# Allegro board OPT8241-CDK-EVM SB REV2P0V1.brd
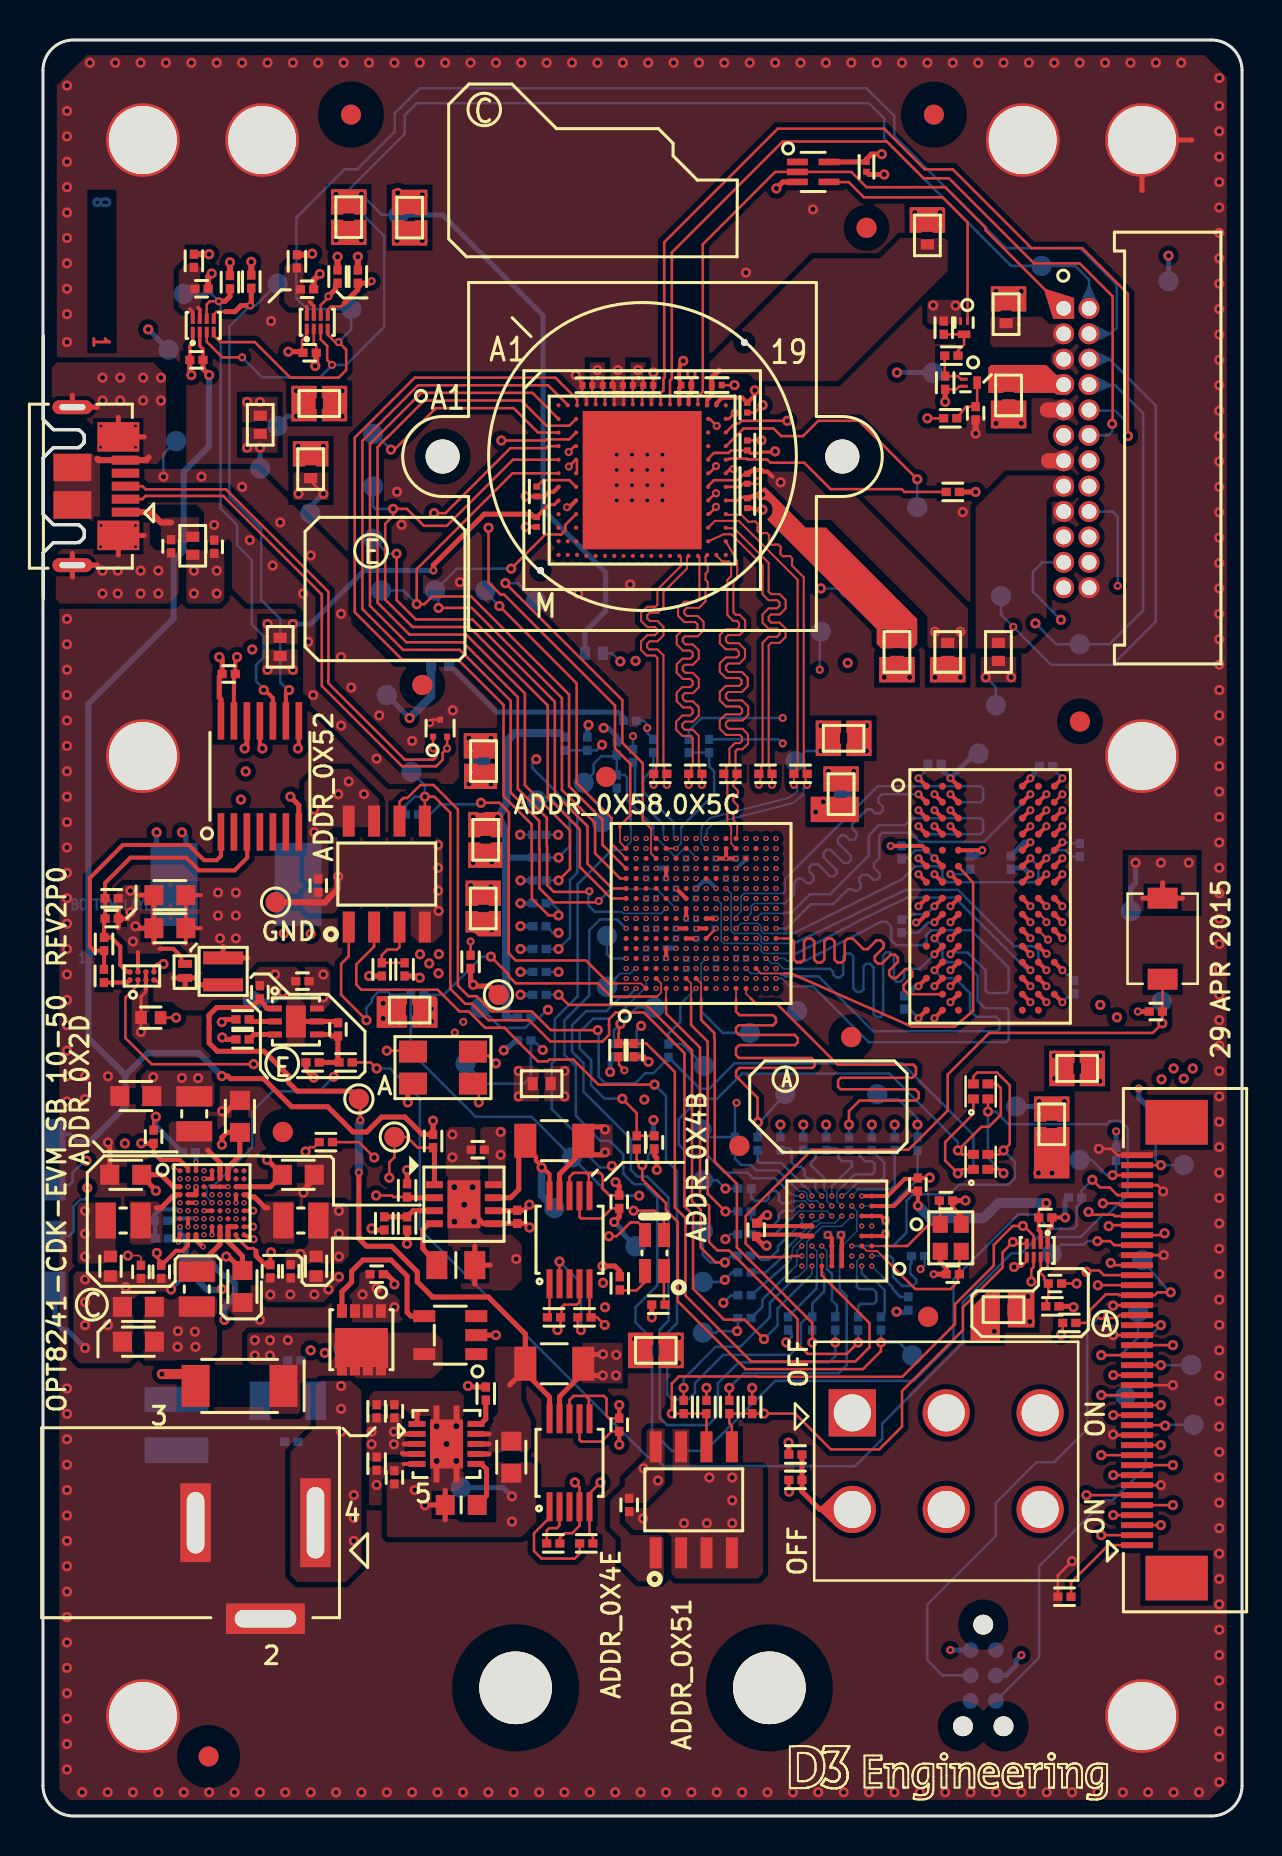
[diagram p0: board, top side]
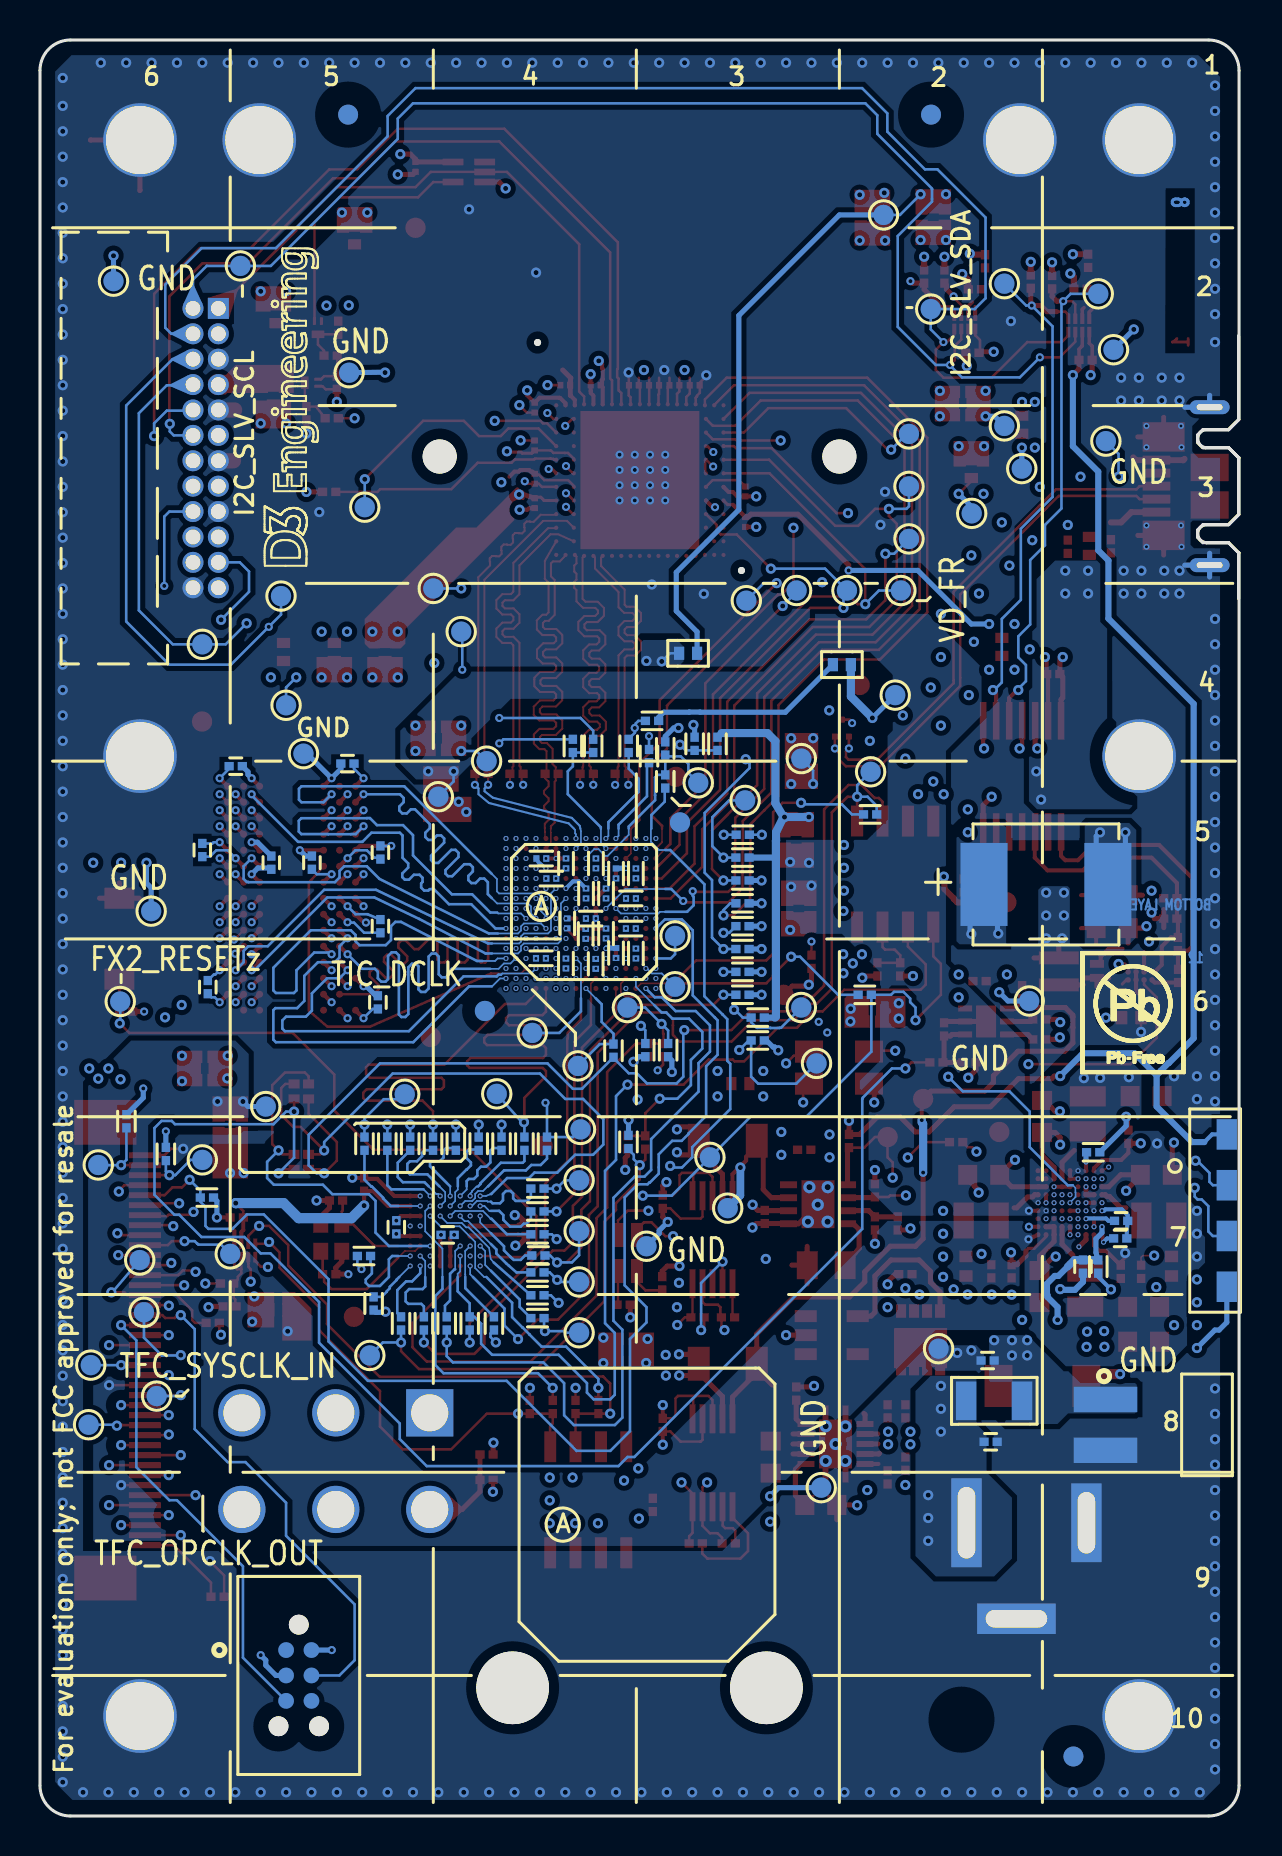
[diagram p1: board, bottom side, seen from below]

Outline 60 x 88.81 mm; copper layers: TOP, GND1, SIG1, PWR1, PWR2, SIG2, GND2, BOTTOM. Coordinates in mm from the lower left corner of the outline.
Outline path: 0.52,69.32 0,69.85 0,87.29 arc(0.45,88.36) 1.52,88.81 58.48,88.81 arc(59.55,88.36) 60,87.29 60,1.52 arc(59.55,0.45) 58.48,0 1.52,0 arc(0.45,0.45) 0,1.52 0,63.16 0.01,63.17 0.02,63.17 ; 0.52,69.32 0.02,69.82 0.02,74.02 ; 0.52,69.32 1.81,69.32 2.07,69.06 2.07,68.67 1.82,68.42 1.77,68.42 1.77,68.43 1.69,68.43 1.69,68.42 ; 0.52,69.32 1.7,69.32 arc(2.07,68.87) 1.69,68.42 ; 0.52,64.57 0,65.1 0,67.91 0.01,67.92 0.02,67.92 ; 0.52,64.57 1.81,64.57 2.07,64.31 2.07,63.93 1.81,63.67 1.62,63.67 1.62,63.67 0.52,63.67 ; 0.52,64.57 0.02,65.07 0.02,67.92 ; 0.52,64.57 1.63,64.57 arc(2.07,64.12) 1.62,63.67 0.52,63.67 ; 0.02,67.92 0.52,68.42 ; 0.02,67.92 0.52,68.42 ; 0.52,68.42 1.69,68.42 ; 0.52,68.42 1.69,68.42 ; 0.02,63.17 0.02,60.88 ; 0.02,63.17 0.52,63.67

## Design rules (mm)
net group DP1: nets DM DP
net group POWER: nets GND

## Placement (name value [footprint] x y rotation side)
B1  BK1005HS100-T  [INDC0402]  18.35 79.93 270 top
B2  BK1005HS100-T  [INDC0402]  44.26 79.04 270 top
B3  BK1005HS100-T  [INDC0402]  15.3 79.95 270 top
B4  BK1005HS100-T  [INDC0402]  48.19 75.1 270 top
B5  BK1005HS100-T  [INDC0402]  13.83 70.63 0 top
B6  BK1005HS100-T  [INDC0402]  13.39 67.35 90 top
B7  BK1005HS100-T  [INDC0402]  48.32 71.04 90 top
B8  BK1005HS100-T  [INDC0402]  7.49 63.52 90 top
B9  BK1005HS100-T  [INDC0402]  11.87 58.46 90 top
B10  BK1005HS100-T  [INDC0402]  42.73 58.21 90 top
B11  BK1005HS100-T  [INDC0402]  45.27 58.21 90 top
B12  BKP1005EM100-T  [INDC0402]  47.81 58.21 90 top
B13  BK1005HS100-T  [INDC0402]  40.06 53.89 0 top
B14  BK1005HS100-T  [INDC0402]  22.05 52.75 90 top
B15  BK1005HS100-T  [INDC0402]  39.94 51.1 270 top
B16  BK1005HS100-T  [INDC0402]  22.16 48.81 90 top
B17  BK1005HS100-T  [INDC0402]  22.03 45.38 270 top
B18  BK1005HS100-T  [INDC0402]  18.35 40.3 0 top
B19  BK1005HS100-T  [INDC0402]  51.75 37.38 180 top
B20  BK1005HS100-T  [INDC0402]  24.95 36.62 0 top
B21  BK1005HS100-T  [INDC0402]  50.48 34.59 270 top
B22  BK1005HS100-T  [INDC0402]  48.07 25.32 0 top
B23  BK1005HS100-T  [INDC0402]  30.67 23.28 0 top
B24  BLM31PG121SN1L  [INDC1206]  12.26 20.76 180 bottom
B25  BK1005HS100-T  [INDC0402]  19.87 57.57 0 bottom
B26  BK1005HS100-T  [INDC0402]  10.87 69.57 90 top
B27  BK1005HS100-T  [INDC0402]  27.57 58.14 0 bottom
C1  1uF  [P_CC0201]  27.24 71.54 180 top
C2  1uF  [P_CC0201]  29.27 71.54 180 top
C3  1uF  [P_CC0201]  32.19 71.55 0 top
C4  1uF  [P_CC0201]  33.72 71.55 0 top
C5  1uF  [P_CC0201]  28.25 71.54 0 top
C6  1uF  [P_CC0201]  30.29 71.54 0 top
C7  100nF  [CC0201]  46.67 70.15 270 top
C8  1uF  [P_CC0201]  35.25 70.42 270 top
C9  100nF  [P_CC0201]  35.25 68.53 90 top
C10  1uF  [P_CC0201]  35.25 66.87 270 top
C11  100nF  [P_CC0201]  24.71 66.23 270 top
C12  1uF  [P_CC0201]  35.25 65.65 270 top
C13  1uF  [P_CC0201]  24.71 64.71 270 top
C14  100nF  [CC0201]  6.41 63.49 270 top
C15  100nF  [CC0201]  8.57 63.47 90 top
C16  22uF  [CC0603]  6.35 46.05 180 top
C17  100nF  [CC0201]  13.78 46.53 270 top
C18  10pF  [CC0201]  3.44 44.87 180 top
C19  22uF  [CC0603]  6.35 44.4 180 top
C20  10uF  [CC0402]  5.39 39.92 180 top
C21  100nF  [CC0201]  12.98 41.75 180 top
C22  100nF  [CC0201]  10.85 41.19 90 top
C23  1uF  [CC0201]  55.69 40.23 180 top
C24  100nF  [CC0201]  14.76 39.33 90 top
C25  15uF  [CC0603]  4.65 36 180 top
C26  22uF  [CC0603]  9.86 34.98 90 top
C27  1uF  [CC0201]  5.54 33.97 90 top
C28  1uF  [CC0201]  30.6 33.68 270 top
C29  100nF  [CC0201]  21.76 33.32 180 top
C30  22uF  [CC0603]  4.14 32.06 180 top
C31  22uF  [CC0603]  12.78 32.06 0 top
C32  1uF  [CC0201]  43.78 31.57 90 top
C33  12pF  [CC0201]  45.18 30.78 180 top
C34  100nF  [CC0201]  28.84 30.71 270 top
C35  100nF  [CC0201]  23.73 29.96 270 top
C36  100nF  [CC0201]  50.16 29.93 0 top
C37  1uF  [CC0201]  35.69 29.31 270 top
C38  10uF  [CC0402]  3.38 27.49 270 top
C39  10uF  [CC0402]  13.67 27.49 270 top
C40  1uF  [CC0201]  11.38 27.24 270 top
C41  1uF  [CC0201]  12.4 27.24 270 top
C42  100nF  [CC0201]  4.9 27.21 270 top
C43  1uF  [CC0201]  5.92 27.21 270 top
C44  12pF  [CC0201]  45.53 27.09 0 top
C45  100pF  [CC0201]  50.64 26.63 0 top
C46  22uF  [CC0603]  9.98 26.48 270 top
C47  15uF  [CC0603]  4.78 25.46 180 top
C48  22uF  [CC0603]  4.78 23.72 180 top
C49  100nF  [CC0201]  17.59 20.24 90 top
C50  100nF  [CC0201]  28.84 19.56 270 top
C51  22uF  [CC0603]  23.44 17.95 270 top
C52  100nF  [CC0201]  29.33 15.55 270 top
C53  100nF  [CC0201]  17.59 16.93 270 top
C54  1uF  [CC0201]  44.62 52.62 0 bottom
C55  1uF  [CC0201]  50.2 52.5 180 bottom
C56  1uF  [CC0201]  51.88 48.3 270 bottom
C57  1uF  [CC0201]  42.96 48.18 270 bottom
C58  1uF  [P_CC0201]  34.91 47.88 0 bottom
C59  1uF  [CC0201]  46.39 47.67 90 bottom
C60  1uF  [CC0201]  48.43 47.67 90 bottom
C61  1uF  [P_CC0201]  33.68 47.63 270 bottom
C62  1uF  [P_CC0201]  30.43 45.88 0 bottom
C63  1uF  [P_CC0201]  32.18 47.63 270 bottom
C64  1uF  [P_CC0201]  31.17 47.13 270 bottom
C65  1uF  [P_CC0201]  33.68 42.63 90 bottom
C66  1uF  [P_CC0201]  34.41 46.88 0 bottom
C67  1uF  [P_CC0201]  31.68 46.13 270 bottom
C68  1uF  [P_CC0201]  32.68 46.13 270 bottom
C69  1uF  [P_CC0201]  30.18 43.13 90 bottom
C70  1uF  [P_CC0201]  32.44 44.88 0 bottom
C71  1uF  [P_CC0201]  33.62 44.64 90 bottom
C72  100nF  [CC0201]  42.96 44.5 90 bottom
C73  1uF  [P_CC0201]  30.43 44.38 0 bottom
C74  1uF  [P_CC0201]  32.69 44.11 90 bottom
C75  1uF  [P_CC0201]  31.67 44.13 270 bottom
C76  1uF  [P_CC0201]  30.18 47.13 270 bottom
C77  1uF  [P_CC0201]  31.17 43.16 270 bottom
C78  1uF  [P_CC0201]  34.93 42.89 180 bottom
C79  1uF  [P_CC0201]  32.19 42.61 90 bottom
C80  1uF  [CC0201]  51.6 41.45 270 bottom
C81  1uF  [CC0201]  43.09 40.69 90 bottom
C82  1uF  [CC0201]  5.9 29.76 180 bottom
C83  1uF  [CC0201]  42.17 29.44 90 bottom
C84  1uF  [CC0201]  39.6 29.06 0 bottom
C85  1uF  [CC0201]  5.95 28.88 180 bottom
C86  100nF  [CC0201]  12.58 22.78 0 bottom
C87  100nF  [CC0201]  12.43 18.71 180 bottom
C88  100nF  [CC0201]  16.7 27.09 0 top
C89  100pF  [CC0201]  7.93 76.37 0 top
C90  100nF  [CC0201]  7.68 72.81 180 top
C91  100pF  [CC0201]  13.22 76.34 0 top
C92  100nF  [CC0201]  13.34 73.17 180 top
C93  1uF  [CC0201]  7.81 27.48 270 bottom
C94  100nF  [P_CC0201]  41.21 82.47 270 top
C95  100nF  [CC0201]  9.29 57.11 0 top
C96  1.5mF  [CT7360-20]  9.66 46.58 180 bottom
D1  PMEG3005EL  [DIO_SOD882]  7.11 42.26 90 top
D2  CLVBA-FKA-CAEDH8BBB7A363  [LED_CLVBA-FKA-CAEDH8BBB7A363]  20.02 37.42 0 top
D3  APHBM2012QBDSURKC  [LED_APHBM2012QBDSURKC]  30.6 28.15 270 top
D4  PMEG3050EP,115  [DIO_SOD128]  9.84 21.51 180 top
J1  SHF-112-01-L-D-RA  [SAMTEC_SHF-112-01-L-D-RA]  51.07 75.39 270 top
J2  -  [ZF5S-40-01-T-WT]  59.98 23.3 90 top
J3  DC-005  [DC005A]  0.14 14.66 0 top
J4  DNP  [TP_20MIL_4]  0.61 34.08 270 bottom
J5  DNP  [SAMTEC_TSM-102-01-T-SH]  1.6 19.56 90 bottom
J6  TC2030-IDC-NL  [TAG-CONNECT_TC2030-IDC-NL]  47.05 7.03 270 bottom
L1  6.8uH  [IND_VLS2012E]  9.02 42.24 90 top
L2  1uH  [INDC0805]  7.57 35.11 90 top
L3  1uH  [INDC0805]  4.01 29.78 180 top
L4  1uH  [INDC0805]  12.9 29.78 0 top
L5  1uH  [INDC0805]  7.7 26.35 270 top
MH1  MH  [NPTH_118]  5 83.81 0 top
MH2  MH  [NPTH_118]  55 83.81 0 top
MH3  MH  [NPTH_118]  5 53 0 top
MH4  MH  [NPTH_118]  55 53 0 top
MH5  MH  [NPTH_118]  5 5 0 top
MH6  MH  [NPTH_118]  55 5 0 top
MH7  MH  [NPTH_118]  10.97 83.81 0 top
MH8  MH  [NPTH_118]  49.03 83.81 0 top
NOREF  -  []  55 5 0 top
NOREF#2  -  []  59.6 0.49 0 top
NOREF#3  -  []  10.97 83.81 0 top
NOREF#4  -  [unnamed#2]  18.98 56.56 0 top
NOREF#5  -  []  46.56 32.34 90 top
NOREF#6  -  [unnamed#2]  34.85 33.51 0 top
NOREF#7  -  []  0 0 90 top
NOREF#8  -  [unnamed#2]  12 34.21 0 top
NOREF#9  -  [unnamed#2]  51.89 54.73 0 top
NOREF#10  -  [unnamed#2]  44.58 85.08 0 top
NOREF#11  -  []  46.37 35.68 0 top
NOREF#12  -  []  10.86 20.76 0 top
NOREF#13  -  [unnamed#2]  44.29 24.96 0 top
NOREF#14  -  []  10.48 19.68 0 top
NOREF#15  -  []  46.56 35.86 90 top
NOREF#16  -  []  47.47 32.16 90 top
NOREF#17  -  [unnamed#2]  8.29 2.98 0 top
NOREF#18  -  [unnamed#3]  30 67.98 0 top
NOREF#19  -  []  46.56 36.61 0 top
NOREF#20  -  [unnamed#2]  40.44 38.95 0 top
NOREF#21  -  []  55 53 0 top
NOREF#22  -  [unnamed#2]  15.41 85.08 0 top
NOREF#23  -  []  10.48 19.68 90 top
NOREF#24  -  [unnamed#2]  41.21 79.42 0 top
NOREF#25  -  []  55 83.81 0 top
NOREF#26  -  []  47.47 35.68 90 top
NOREF#27  -  [unnamed#2]  28.18 51.96 0 top
NOREF#28  -  []  30 67.98 0 top
NOREF#29  -  []  46.56 33.09 0 top
NOREF#30  -  []  0 88.81 0 top
NOREF#31  -  []  46.37 32.16 0 top
NOREF#32  -  []  5 5 0 top
NOREF#33  -  []  5 5 0 top
NOREF#34  -  []  586.09 -169.45 0 top
NOREF#35  -  []  -94.76 -149.88 0 top
NOREF#36  -  []  49.03 83.81 0 top
NOREF#37  -  [unnamed#2]  15.41 85.08 180 bottom
NOREF#38  -  [unnamed#5]  41.43 0.06 180 bottom
NOREF#39  -  [unnamed#2]  37.73 40.26 180 bottom
NOREF#40  -  [unnamed#2]  44.58 85.08 180 bottom
NOREF#41  -  [unnamed#2]  27.97 49.68 180 bottom
NOREF#42  -  [unnamed#2]  8.29 2.98 180 bottom
R1  DNP  [R0201]  45.07 74.42 270 top
R2  0  [R0201]  45.46 73.03 0 top
R3  2.2k  [R0201]  45.14 71.67 90 top
R4  1k  [R0201]  45.53 66.21 0 top
R5  100  [R0201]  30.89 52.11 0 top
R6  100  [R0201]  32.64 52.11 0 top
R7  100  [R0201]  34.4 52.11 180 top
R8  100  [R0201]  36.15 52.11 180 top
R9  100  [R0201]  37.91 52.11 180 top
R10  84.5k  [R0201]  3.44 45.89 180 top
R11  20k  [R0201]  3.05 42.01 90 top
R12  DNP  [R0201]  16.95 42.33 90 top
R13  10k  [R0201]  18.09 42.33 90 top
R14  191k  [R0201]  9.99 39.83 0 top
R15  10k  [R0201]  9.99 38.83 0 top
R16  0  [R0201]  28.8 38.3 270 top
R17  100k  [R0201]  13.49 37.68 180 top
R18  1k  [R0201]  15.14 37.68 180 top
R19  45m  [R1206]  25.59 33.77 180 top
R20  10k  [R0201]  19.52 33.75 90 top
R21  1k  [R0201]  14.16 33.7 0 top
R22  10k  [R0201]  29.71 33.68 90 top
R23  10k  [R0201]  18.22 31.29 90 top
R24  1k  [R0201]  17.08 29.63 270 top
R25  1.5k  [R0201]  18.22 29.63 270 top
R26  698  [R0805]  20.66 27.55 180 top
R27  200  [R0201]  28.86 26.64 270 top
R28  51  [R0201]  30.79 25.57 0 top
R29  200k  [R0201]  50.51 25.49 180 top
R30  0  [R0201]  25.57 24.94 0 top
R31  0  [R0201]  27.1 24.94 0 top
R32  0  [R0201]  51.35 24.66 0 top
R33  6m  [R1206]  25.59 22.61 180 top
R34  10k  [R0201]  22.16 21.13 90 top
R35  0  [R0201]  32.06 20.45 90 top
R36  2.2k  [R0201]  33.2 20.45 90 top
R37  0  [R0201]  34.34 20.45 90 top
R38  2.2k  [R0201]  35.49 20.45 90 top
R39  10k  [R0201]  16.7 20.24 270 top
R40  1k  [R0201]  37.65 18.08 0 top
R41  10k  [R0201]  16.7 17.62 90 top
R42  1k  [R0201]  37.65 16.81 0 top
R43  49.9k  [R0603]  20.93 15.56 0 top
R44  0  [R0201]  25.54 13.63 0 top
R45  0  [R0201]  27.19 13.63 0 top
R46  0  [R0201]  51.11 10.97 180 top
R47  0  [R0201]  26.1 53.62 90 bottom
R48  DNP  [R0201]  27.24 53.62 270 bottom
R49  10k  [R0201]  28.71 53.38 270 bottom
R50  0  [R0201]  28.71 51.73 90 bottom
R51  0  [R0201]  18.46 50.09 0 bottom
R52  0  [R0201]  24.83 49.07 180 bottom
R53  10k  [R0201]  24.85 47.93 180 bottom
R54  2.2k  [R0201]  24.85 46.78 180 bottom
R55  2.2k  [R0201]  24.85 45.64 180 bottom
R56  2.2k  [R0201]  24.85 44.5 180 bottom
R57  2.2k  [R0201]  24.85 43.35 180 bottom
R58  10k  [R0201]  24.85 42.21 0 bottom
R59  10k  [R0201]  24.85 41.07 0 bottom
R60  0  [R0201]  18.73 41.06 0 bottom
R61  10k  [R0201]  24.08 39.92 180 bottom
R62  10k  [R0201]  24.08 38.78 180 bottom
R63  0  [R0201]  31.3 38.27 90 bottom
R64  DNP  [R0201]  28.57 38.3 90 bottom
R65  10k  [R0201]  29.71 38.3 270 bottom
R66  10k  [R0201]  30.55 33.71 90 bottom
R67  0  [R0201]  34.63 33.62 90 bottom
R68  0  [R0201]  35.76 33.62 90 bottom
R69  0  [R0201]  36.9 33.62 270 bottom
R70  0  [R0201]  38.05 33.62 270 bottom
R71  0  [R0201]  39.19 33.62 270 bottom
R72  0  [R0201]  40.33 33.62 270 bottom
R73  0  [R0201]  41.48 33.62 270 bottom
R74  0  [R0201]  42.62 33.62 270 bottom
R75  0  [R0201]  43.76 33.62 90 bottom
R76  1k  [R0201]  7.3 33.19 180 bottom
R77  0  [R0201]  35.11 31.37 180 bottom
R78  0  [R0201]  35.11 30.23 180 bottom
R79  0  [R0201]  35.11 29.09 0 bottom
R80  0  [R0201]  35.06 28.03 180 bottom
R81  0  [R0201]  43.79 28 0 bottom
R82  0  [R0201]  35.11 27.18 180 bottom
R83  0  [R0201]  35.11 26.04 0 bottom
R84  0  [R0201]  35.11 24.9 180 bottom
R85  0  [R0201]  37.28 24.63 270 bottom
R86  0  [R0201]  38.5 24.63 270 bottom
R87  0  [R0201]  39.65 24.63 270 bottom
R88  0  [R0201]  40.79 24.63 270 bottom
R89  0  [R0201]  41.93 24.63 270 bottom
R90  0  [R0201]  45.4 69.89 180 top
R91  422k  [R0201]  3.06 43.6 90 top
R92  2.2k  [R0201]  9.36 76.7 90 top
R93  2.2k  [R0201]  10.42 76.73 90 top
R94  200k  [R0201]  7.55 77.77 270 top
R95  200k  [R0201]  12.71 77.74 270 top
R96  2.2k  [R0201]  14.74 76.98 90 top
R97  2.2k  [R0201]  15.76 76.98 90 top
R98  1k  [R0201]  7.04 27.48 270 bottom
R99  DNP  [R0201]  33.33 53.51 90 bottom
R100  10k  [R0201]  29.52 53 90 bottom
R101  10k  [R0201]  32.32 53.51 90 bottom
R102  10k  [R0201]  30.54 53.51 90 bottom
R103  10k  [R0201]  29.37 54.76 0 bottom
R104  DNP  [R0201]  21.4 42.72 90 top
R105  DNP  [R0201]  53.7 33.1 270 bottom
R106  DNP  [R0201]  55.67 34.74 270 bottom
R107  10k  [R0201]  43.3 25.63 270 bottom
R108  10k  [R0201]  51.65 30.93 180 bottom
R109  10k  [R0201]  29.56 38.3 90 top
RN1  0  [EXB-24VR000X]  46.92 36.23 0 top
RN2  DNP  [EXB-24VR000X]  46.92 32.71 0 top
SW1  TL1015AF160QG  [TL1015]  56.03 43.87 270 top
SW2  500SDP1S1M2QEA  [T521001]  45.2 17.75 0 top
TP1  VSYNC  [TP_40MIL]  16.52 69.11 180 bottom
TP2  VD_QD  [TP_40MIL]  16.52 66.49 180 bottom
TP3  HD_QD  [TP_40MIL]  16.52 63.86 180 bottom
TP4  VD_FR  [TP_40MIL]  16.92 61.28 180 bottom
TP5  VD_SF  [TP_40MIL]  19.62 61.28 180 bottom
TP6  DEMOD_MCLK  [TP_40MIL]  22.14 61.28 180 bottom
TP7  SENSOR_RESETz  [TP_40MIL]  24.66 60.77 180 bottom
TP8  SENSOR_MCLK  [TP_40MIL]  38.92 59.23 180 bottom
TP9  TIC_MOSI  [TP_40MIL]  18.43 52.22 180 bottom
TP10  TIC_I  [TP_40MIL]  24.72 50.78 180 bottom
TP11  GPIO_0  [TP_40MIL]  28.22 44.01 180 bottom
TP12  GPIO_1  [TP_40MIL]  28.22 41.47 180 bottom
TP13  TIC_I  [TP_40MIL]  21.9 40.43 180 bottom
TP14  FX2_RESETz  [TP_40MIL]  55.98 40.73 180 bottom
TP15  TIC_CEz  [TP_40MIL]  30.6 40.43 180 bottom
TP16  TIC_O  [TP_40MIL]  35.37 39.16 180 bottom
TP17  TIC_I  [TP_40MIL]  21.14 37.64 180 bottom
TP18  TIC_MISO  [TP_40MIL]  50.48 28.11 180 bottom
TP19  TFC_READY_IN  [TP_40MIL]  37.14 36.11 180 bottom
TP20  TIC_DCLK  [TP_40MIL]  33.08 37.51 180 bottom
TP21  TIC_CONFIGz  [TP_40MIL]  32.95 34.33 180 bottom
TP22  TIC_CSOz  [TP_40MIL]  26.48 32.94 180 bottom
TP23  TIC_CONF_DONE  [TP_40MIL]  27.06 51.66 180 bottom
TP24  TFC_OVERFLOW_IN  [TP_40MIL]  33.02 31.79 180 bottom
TP25  DC_JACK_UNPLUG  [TP_40MIL]  17.59 33.95 0 top
TP26  TIC_STATUSz  [TP_40MIL]  33.02 29.25 180 bottom
TP27  TFC_PHASE_AUX_OUT  [TP_40MIL]  33.02 26.71 180 bottom
TP28  TFC_OP_CS_OUT  [TP_40MIL]  33.02 24.17 180 bottom
TP29  TIC_INIT_DONE  [TP_40MIL]  55.01 27.8 180 bottom
TP30  TFC_RESETz_IN  [TP_40MIL]  43.49 23.03 180 bottom
TP31  TFC_HD_BD_OUT  [TP_40MIL]  57.46 22.55 180 bottom
TP32  TFC_SYSCLK_IN  [TP_40MIL]  54.16 21 180 bottom
TP33  TFC_FE_OUT  [TP_40MIL]  57.57 19.57 180 bottom
TP34  TFC_OP_DCLK_OUT  [TP_40MIL]  41.75 36.09 180 bottom
TP35  SNS_ANA_TP1  [TP_40MIL]  40.32 61.38 180 bottom
TP36  SNS_ANA_TP2  [TP_40MIL]  43.75 65.45 180 bottom
TP37  GND  [TP_40MIL]  15.03 23.37 180 bottom
TP38  GND  [TP_40MIL]  10.5 40.75 180 bottom
TP39  GND  [TP_40MIL]  44.53 72.17 180 bottom
TP40  GND  [TP_40MIL]  11.64 45.69 0 top
TP41  GND  [TP_40MIL]  46.82 53.12 180 bottom
TP42  GND  [TP_40MIL]  54.44 45.25 180 bottom
TP43  GND  [TP_40MIL]  29.65 28.49 180 bottom
TP44  GND  [TP_40MIL]  20.91 16.42 180 bottom
TP45  GND  [TP_40MIL]  6.66 68.75 180 bottom
TP46  GND  [TP_40MIL]  56.32 76.75 180 bottom
TP47  I2C_SLV_SCL_3V3  [TP_40MIL]  51.88 32.81 180 bottom
TP48  I2C_SLV_SDA_3V3  [TP_40MIL]  57.08 32.56 180 bottom
TP49  I2C_SLV_SCL  [TP_40MIL]  49.97 77.51 180 bottom
TP50  I2C_SLV_SDA  [TP_40MIL]  15.43 75.35 180 bottom
TP51  VCC_5V0_MINUS  [TP_40MIL]  6.28 73.32 180 bottom
TP52  I2C_SLV_SCL_3V3  [TP_40MIL]  7.04 76.12 180 bottom
TP53  I2C_SLV_SDA_3V3  [TP_40MIL]  11.74 76.62 180 bottom
TP54  VCC_5V0_MAIN  [TP_40MIL]  25.59 30.4 180 bottom
TP55  VCC_5V0_ILLUM  [TP_40MIL]  15.81 35.86 0 top
TP56  VCC_MIX  [TP_40MIL]  10.87 67.38 180 bottom
TP57  VCC_LDO_3V3  [TP_40MIL]  48.7 35.48 180 bottom
TP58  VCC_1V8  [TP_40MIL]  47.68 55.54 180 bottom
TP59  VCC_3V3  [TP_40MIL]  17.79 80.06 180 bottom
TP60  VCC_PVDD  [TP_40MIL]  13.38 65.14 180 bottom
TP61  VCC_1V2  [TP_40MIL]  21.9 52.88 180 bottom
TP62  VCC_2V5  [TP_40MIL]  40.06 50.97 180 bottom
TP63  VCC_0V9  [TP_40MIL]  37.65 52.75 180 bottom
TP65  VCC_LDO_1V8  [TP_40MIL]  11.74 69.51 180 bottom
TP66  VCC_FB  [TP_40MIL]  17.2 56.05 180 bottom
TP67  I2C_AUX_SCL  [TP_40MIL]  47.94 61 180 bottom
TP68  I2C_AUX_SDA  [TP_40MIL]  51.88 58.59 180 bottom
TP69  TFC_FRM_VD_OUT  [TP_40MIL]  54.8 25.19 180 bottom
TP71  VCC_ILLUM_REF  [TP_40MIL]  22.79 41.06 0 top
U1  CSD23381F4  [DFN100X60X35-3N]  46.09 74.42 270 top
U2  CSD13381F4  [DFN100X60X35-3N]  46.41 71.67 0 top
U3  OPT8241  [OPT8241_DS_2V4]  29.98 66.8 0 top
U4  -  [1051640001]  0.02 66.5 270 top
U5  TPD2EUSB30  [SOT35P100X50-3N]  19.87 54.4 90 top
U6  W25Q16SN  [SOIC127P600X175-8N]  17.2 47.1 90 top
U7  MT47H32M16HR-25E-G_0  [BGA84N80P6X15_1250X800X120]  47.41 45.89 0 top
U8  OPT9221  [BGA256C50P16X16_900X900X120A]  32.93 45.13 90 top
U9  LMR70503  [LMR70503_DSBGA]  4.95 42.01 90 top
U10  TPS2552  [SON6]  12.66 39.73 270 top
U11  TPS659122YFFT  [BGA81C40P9X9_360X360X63A]  8.46 30.67 0 top
U12  TPS2113A  [TPS2115A]  21.06 30.59 0 top
U13  CY7C68053-56BAXI  [BGA56C50P8X8_500X500X100A_CUS]  39.72 29.25 180 top
U14  -  [INA226]  26.35 28.82 90 top
U15  -  [PCA9306DQER]  49.75 28.28 180 top
U16  -  [TPS2559]  20.19 18.6 270 top
U17  -  [INA226]  26.35 17.66 90 top
U18  24AA128-I/SN  [SOIC127P600X175-8N]  32.57 15.81 90 top
U19  TPS2400  [SOT-23-5]  20.38 24.05 180 top
U20  CSD17578Q3A  [SON_CSD17578Q3A]  15.93 23.82 270 top
U21  TPL0102-100PWR  [SOP65P580X120-14]  10.85 51.99 90 top
U22  -  [PCA9306DQER]  8.02 74.54 0 top
U23  -  [PCA9306DQER]  13.73 74.69 0 top
U24  SN74AHC1G04  [SOT553]  38.54 82.21 270 top
UNK*  -  [unnamed#4]  30 67.98 0 top
Y1  ECS-240-8-37CKM  [XTAL200X160X55]  45.42 28.91 0 top

## Library data of the parts
B1-B27 = Bead
C1-C32 C34-C43 C45-C96 = CAP NP
C33 C44 = CAP NP_6
D1 = DIODE SCHOTTKY_1
D2 = LN03202_6
D3 = LN2162/SM_4
D4 = DIODE SCHOTTKY_2
J1 = CONN PLUG 12x2_1
J2 = CONN FLEX 40_0
J3 = CONN JACK PWR_1
J4 = CON4_0
J5 = CONN PWR 2-J
J6 = CONN MOD 6-6_J
L1-L5 = INDUCTOR
MH1-MH8 = B2S_0
R1-R26 R29-R109 = RESISTOR
R27 R28 = R
RN1 RN2 = RESAR_IS_2/SO
SW1 = SW PUSHBUTTON_0
SW2 = SW DPDT_0
TP1-TP63 TP65-TP69 TP71 = TEST POINT
U1 = CSD23381F4_2
U2 = CSD13381F4_2
U3 = OPT8241
U4 = 1981568-1_4
U5 = TPD2EUSB30
U6 = W25Q16DW_2
U7 = MT47H32M16HR-25E-G_0
U8 = OPT9221
U9 = LMR70503_0
U10 = TPS2552_0
U11 = TPS659122YFFT
U12 = TPS2115A_2
U13 = CY7C68053-56BAXI
U14 U17 = INA226
U15 U22 U23 = PCA9306DQER
U16 = TPS2559
U18 = 24AA128/IA81_4
U19 = TPS2400_0
U20 = CSD17578Q3A_3
U21 = TPL0102-100_0
U24 = SN74AHC1G04_0
Y1 = CRYSTAL13-4pin
